# Altium PCB JTAG-批量下载V06.PcbDoc (part 9 of 13)
Units mil, origin at the board's own origin, x right, y up, seen from the top; angles counter-clockwise.
Board outline 6380 x 5290 mil, 2 copper layers (Top Layer, Bottom Layer); 190 components, 238 nets, 1050 pads, 459 vias.
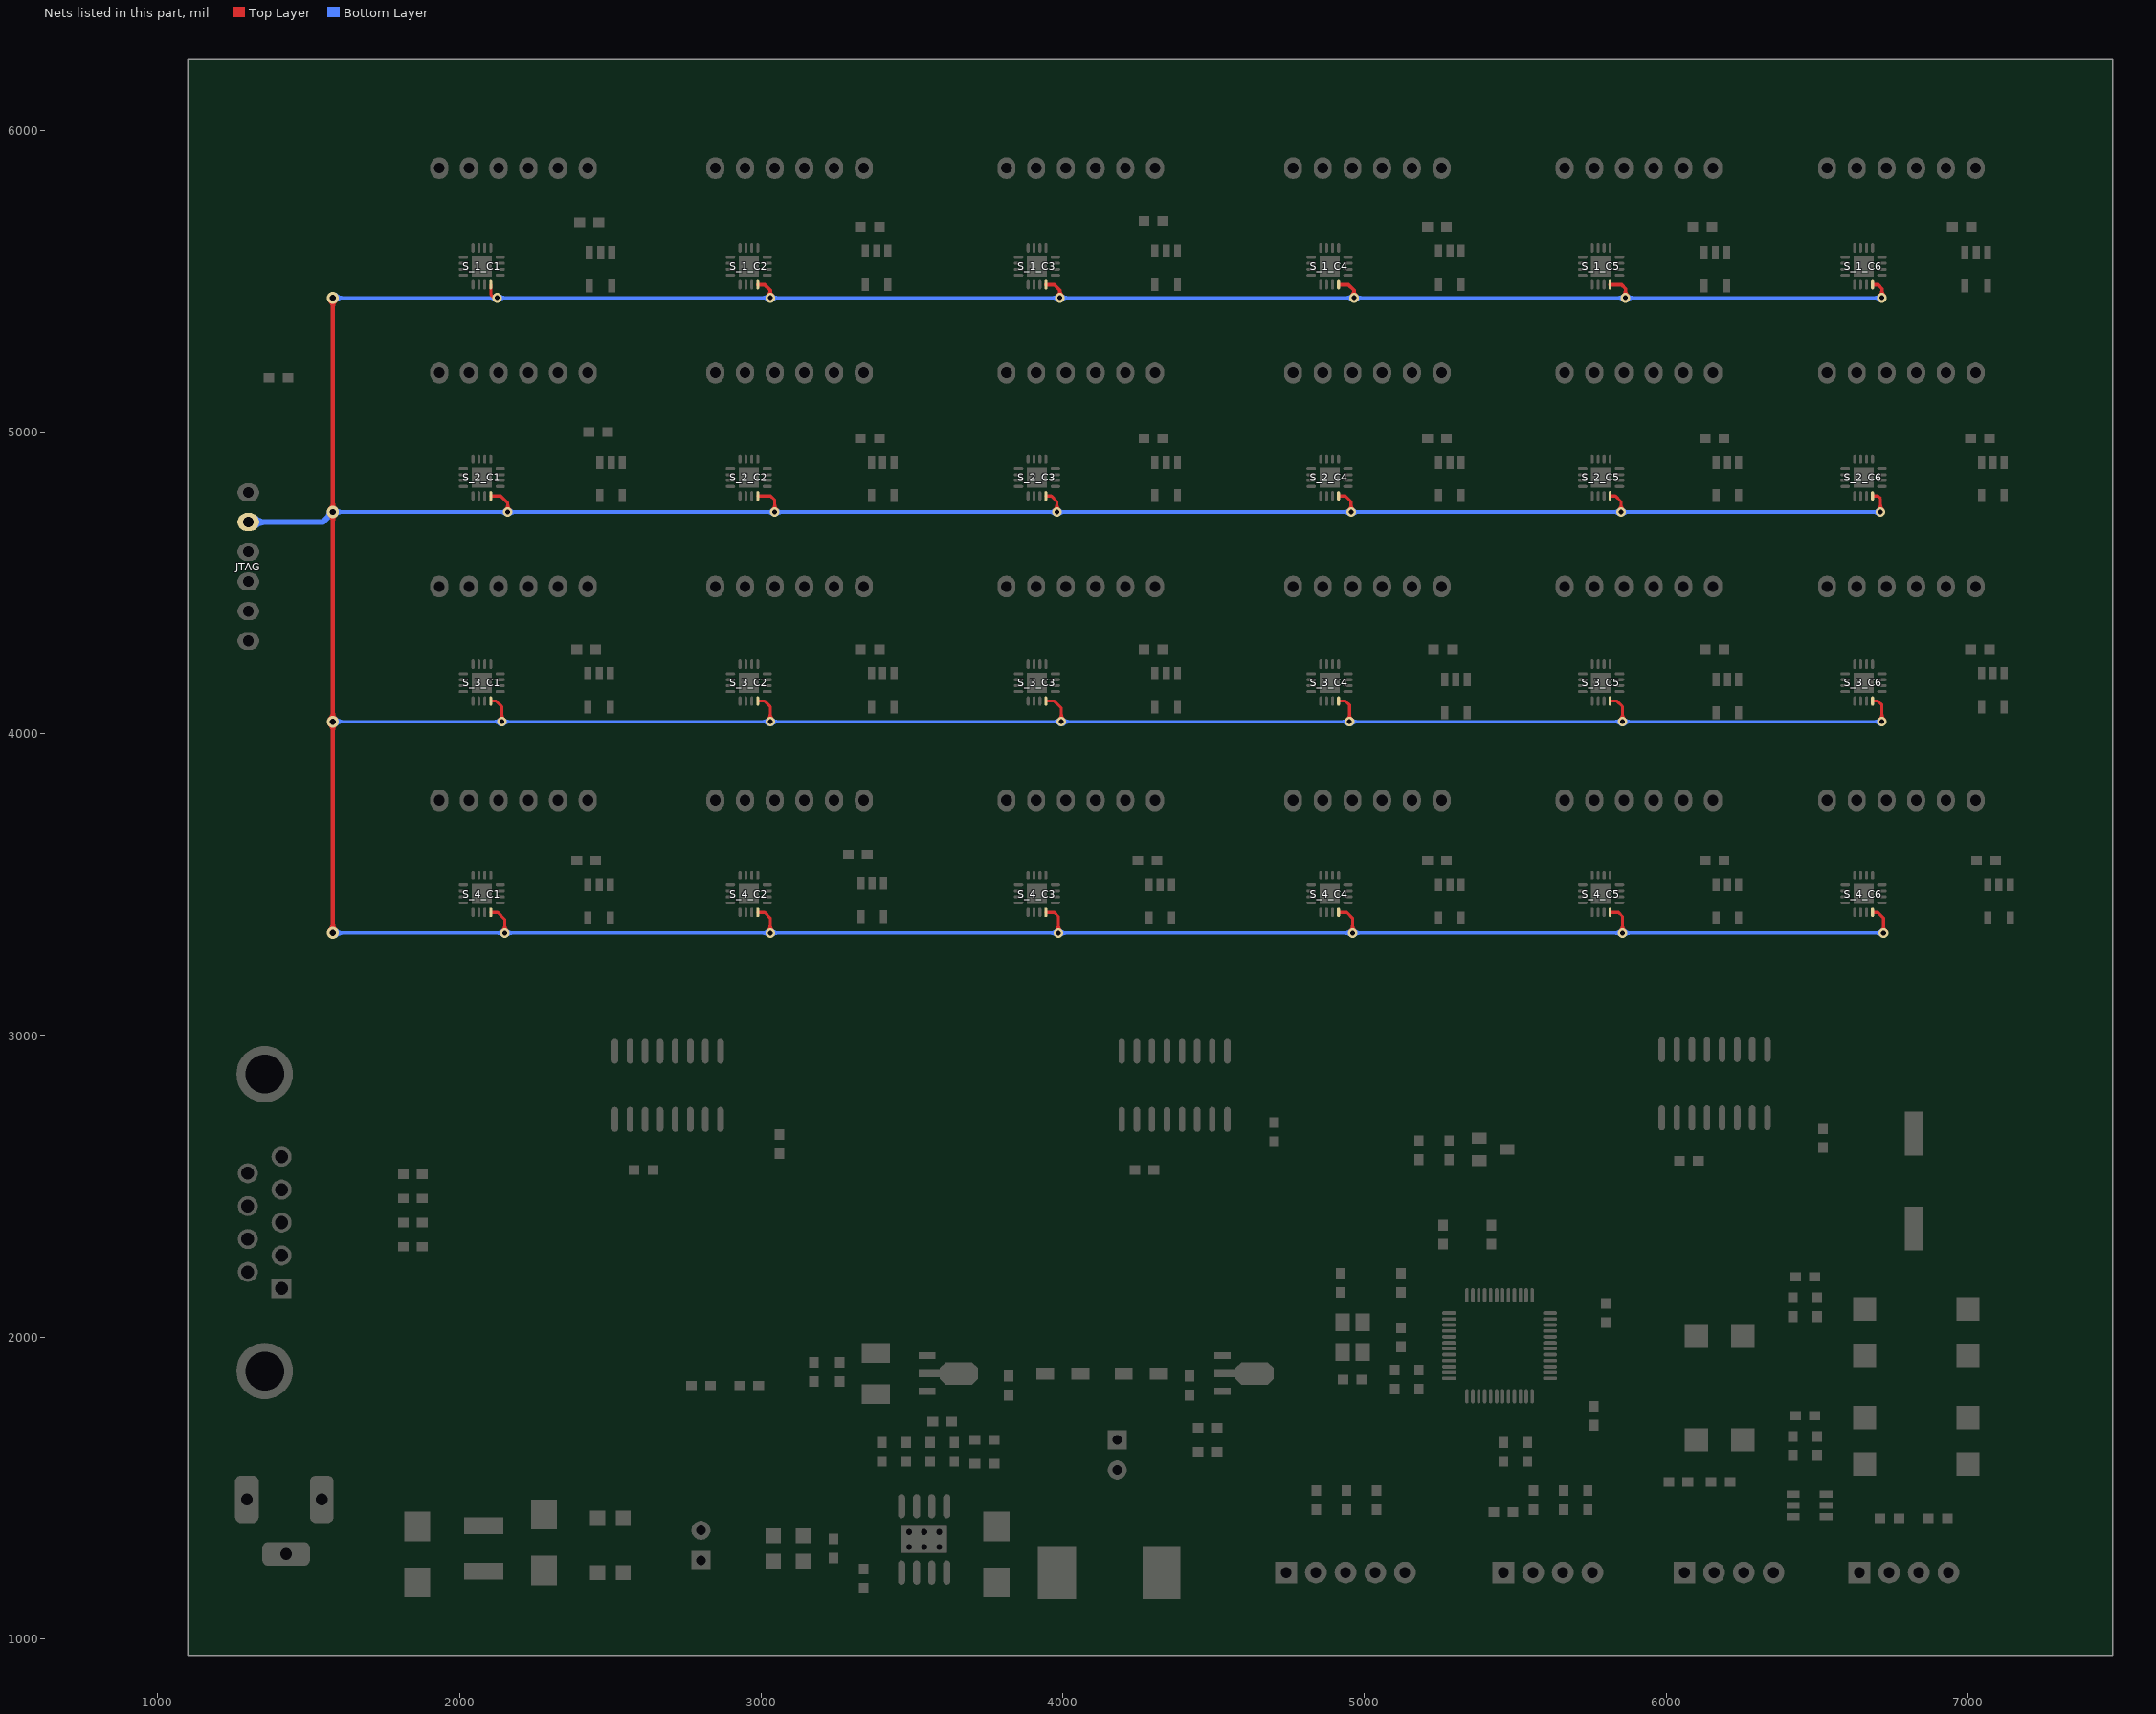
[diagram p9: the nets of this part, all layers, seen from the top]

## Via types
v1: diameter 32, hole 16, Top Layer to Bottom Layer, 347 vias
v2: diameter 50, hole 28, Top Layer to Bottom Layer, 63 vias
v3: diameter 40, hole 20, Top Layer to Bottom Layer, 49 vias

## Nets (pads, with @x,y where several pads share a name; then routed paths per layer and width w, separated by ;. In a path a pad name is that pad's centre, name@x,y a point inside that pad or via, vN(x,y) a via of type N, cw(c..) or ccw(c..) an arc to the next point about the centre after c; other vN are vias at no path point) (continued)
JTAG_TDO: JTAG.2 S_1_C1.16 S_1_C2.16 S_1_C3.16 S_1_C4.16 S_1_C5.16 S_1_C6.16 S_2_C1.16 S_2_C2.16 S_2_C3.16 S_2_C4.16 S_2_C5.16 S_2_C6.16 S_3_C1.16 S_3_C2.16 S_3_C3.16 S_3_C4.16 S_3_C5.16 S_3_C6.16 S_4_C1.16 S_4_C2.16 S_4_C3.16 S_4_C4.16 S_4_C5.16 S_4_C6.16 | length 34677.5
  Top Layer w10: S_4_C1.16@2103.5,3408.5 2126.5,3408.5 2150,3385 v1(2150,3340) ; S_3_C1.16@2103.5,4108.5 2121.5,4108.5 2140,4090 v1(2140,4040) ; S_2_C1.16@2103.5,4788.5 2136.5,4788.5 2160,4765 v1(2160,4735) ; S_1_C1.16@2103.5,5488.5 2103.5,5456.5 v1@2125,5435 ; S_4_C2.16@2988.5,3408.5 3011.5,3408.5 3030,3390 v1(3030,3340) ; S_3_C2.16@2988.5,4108.5 3011.5,4108.5 3030,4090 v1(3030,4040) ; S_2_C2.16@2988.5,4788.5 3031.5,4788.5 3045,4775 v1(3045,4735) ; S_4_C3.16@3943.5,3408.5 3971.5,3408.5 3985,3395 v1(3985,3340) ; S_3_C3.16@3943.5,4108.5 3971.5,4108.5 3995,4085 v1(3995,4040) ; S_2_C3.16@3943.5,4788.5 3961.5,4788.5 3980,4770 v1(3980,4735) ; S_4_C4.16@4913.5,3408.5 4941.5,3408.5 4960,3390 v1(4960,3340) ; S_3_C4.16@4913.5,4108.5 4936.5,4108.5 4950,4095 v1(4950,4040) ; S_2_C4.16@4913.5,4788.5 4936.5,4788.5 4955,4770 v1(4955,4735) ; S_4_C5.16@5813.5,3408.5 5841.5,3408.5 5855,3395 v1(5855,3340) ; S_3_C5.16@5813.5,4108.5 5836.5,4108.5 5855,4090 v1(5855,4040) ; S_2_C5.16@5813.5,4788.5 5831.5,4788.5 5850,4770 v1(5850,4735) ; S_4_C6.16@6683.5,3408.5 6701.5,3408.5 6720,3390 v1(6720,3340) ; S_3_C6.16@6683.5,4108.5 6701.5,4108.5 6715,4095 v1(6715,4040) ; S_2_C6.16@6683.5,4788.5 6701.5,4788.5 6710,4780 v1(6710,4735) ; v1@2132.22,4047.78 ccw(c2113.44,4066.56) 2140,4066.56 ; v1@2132.22,4047.78 ccw(c2113.44,4066.56) 2140,4066.56 ; v1@2132.22,4047.78 ccw(c2113.44,4066.56) 2140,4066.56 ; 2140,4066.56 ccw(c2166.56,4066.56) v1@2147.78,4047.78 ; 2140,4066.56 ccw(c2166.56,4066.56) v1@2147.78,4047.78 ; 2140,4066.56 ccw(c2166.56,4066.56) v1@2147.78,4047.78 ; v1@2142.22,3347.78 ccw(c2123.44,3366.56) 2150,3366.56 ; v1@2142.22,3347.78 ccw(c2123.44,3366.56) 2150,3366.56 ; v1@2142.22,3347.78 ccw(c2123.44,3366.56) 2150,3366.56 ; 2150,3366.56 ccw(c2176.56,3366.56) v1@2157.78,3347.78 ; 2150,3366.56 ccw(c2176.56,3366.56) v1@2157.78,3347.78 ; 2150,3366.56 ccw(c2176.56,3366.56) v1@2157.78,3347.78 ; v1@2152.22,4742.78 ccw(c2133.44,4761.56) 2160,4761.56 ; v1@2152.22,4742.78 ccw(c2133.44,4761.56) 2160,4761.56 ; v1@2152.22,4742.78 ccw(c2133.44,4761.56) 2160,4761.56 ; 2160,4761.56 ccw(c2186.56,4761.56) v1@2167.78,4742.78 ; 2160,4761.56 ccw(c2186.56,4761.56) v1@2167.78,4742.78 ; 2160,4761.56 ccw(c2186.56,4761.56) v1@2167.78,4742.78 ; v1@3022.22,3347.78 ccw(c3003.44,3366.56) 3030,3366.56 ; v1@3022.22,3347.78 ccw(c3003.44,3366.56) 3030,3366.56 ; v1@3022.22,3347.78 ccw(c3003.44,3366.56) 3030,3366.56 ; v1@3022.22,4047.78 ccw(c3003.44,4066.56) 3030,4066.56 ; v1@3022.22,4047.78 ccw(c3003.44,4066.56) 3030,4066.56 ; v1@3022.22,4047.78 ccw(c3003.44,4066.56) 3030,4066.56 ; 3030,3366.56 ccw(c3056.56,3366.56) v1@3037.78,3347.78 ; 3030,3366.56 ccw(c3056.56,3366.56) v1@3037.78,3347.78 ; 3030,3366.56 ccw(c3056.56,3366.56) v1@3037.78,3347.78 ; 3030,4066.56 ccw(c3056.56,4066.56) v1@3037.78,4047.78 ; 3030,4066.56 ccw(c3056.56,4066.56) v1@3037.78,4047.78 ; 3030,4066.56 ccw(c3056.56,4066.56) v1@3037.78,4047.78 ; v1@3037.22,4742.78 ccw(c3018.44,4761.56) 3045,4761.56 ; v1@3037.22,4742.78 ccw(c3018.44,4761.56) 3045,4761.56 ; v1@3037.22,4742.78 ccw(c3018.44,4761.56) 3045,4761.56 ; 3045,4761.56 ccw(c3071.56,4761.56) v1@3052.78,4742.78 ; 3045,4761.56 ccw(c3071.56,4761.56) v1@3052.78,4742.78 ; 3045,4761.56 ccw(c3071.56,4761.56) v1@3052.78,4742.78 ; v1@3972.22,4742.78 ccw(c3953.44,4761.56) 3980,4761.56 ; v1@3972.22,4742.78 ccw(c3953.44,4761.56) 3980,4761.56 ; v1@3972.22,4742.78 ccw(c3953.44,4761.56) 3980,4761.56 ; v1@3977.22,3347.78 ccw(c3958.44,3366.56) 3985,3366.56 ; v1@3977.22,3347.78 ccw(c3958.44,3366.56) 3985,3366.56 ; v1@3977.22,3347.78 ccw(c3958.44,3366.56) 3985,3366.56 ; 3980,4761.56 ccw(c4006.56,4761.56) v1@3987.78,4742.78 ; 3980,4761.56 ccw(c4006.56,4761.56) v1@3987.78,4742.78 ; 3980,4761.56 ccw(c4006.56,4761.56) v1@3987.78,4742.78 ; 3985,3366.56 ccw(c4011.56,3366.56) v1@3992.78,3347.78 ; 3985,3366.56 ccw(c4011.56,3366.56) v1@3992.78,3347.78 ; 3985,3366.56 ccw(c4011.56,3366.56) v1@3992.78,3347.78 ; v1@3987.22,4047.78 ccw(c3968.44,4066.56) 3995,4066.56 ; v1@3987.22,4047.78 ccw(c3968.44,4066.56) 3995,4066.56 ; v1@3987.22,4047.78 ccw(c3968.44,4066.56) 3995,4066.56 ; 3995,4066.56 ccw(c4021.56,4066.56) v1@4002.78,4047.78 ; 3995,4066.56 ccw(c4021.56,4066.56) v1@4002.78,4047.78 ; 3995,4066.56 ccw(c4021.56,4066.56) v1@4002.78,4047.78 ; v1@4942.22,4047.78 ccw(c4923.44,4066.56) 4950,4066.56 ; v1@4942.22,4047.78 ccw(c4923.44,4066.56) 4950,4066.56 ; v1@4942.22,4047.78 ccw(c4923.44,4066.56) 4950,4066.56 ; v1@4947.22,4742.78 ccw(c4928.44,4761.56) 4955,4761.56 ; v1@4947.22,4742.78 ccw(c4928.44,4761.56) 4955,4761.56 ; v1@4947.22,4742.78 ccw(c4928.44,4761.56) 4955,4761.56 ; 4950,4066.56 ccw(c4976.56,4066.56) v1@4957.78,4047.78 ; 4950,4066.56 ccw(c4976.56,4066.56) v1@4957.78,4047.78 ; 4950,4066.56 ccw(c4976.56,4066.56) v1@4957.78,4047.78 ; v1@4952.22,3347.78 ccw(c4933.44,3366.56) 4960,3366.56 ; v1@4952.22,3347.78 ccw(c4933.44,3366.56) 4960,3366.56 ; v1@4952.22,3347.78 ccw(c4933.44,3366.56) 4960,3366.56 ; 4955,4761.56 ccw(c4981.56,4761.56) v1@4962.78,4742.78 ; 4955,4761.56 ccw(c4981.56,4761.56) v1@4962.78,4742.78 ; 4955,4761.56 ccw(c4981.56,4761.56) v1@4962.78,4742.78 ; 4960,3366.56 ccw(c4986.56,3366.56) v1@4967.78,3347.78 ; 4960,3366.56 ccw(c4986.56,3366.56) v1@4967.78,3347.78 ; 4960,3366.56 ccw(c4986.56,3366.56) v1@4967.78,3347.78 ; v1@5842.22,4742.78 ccw(c5823.44,4761.56) 5850,4761.56 ; v1@5842.22,4742.78 ccw(c5823.44,4761.56) 5850,4761.56 ; v1@5842.22,4742.78 ccw(c5823.44,4761.56) 5850,4761.56 ; v1@5847.22,3347.78 ccw(c5828.44,3366.56) 5855,3366.56 ; v1@5847.22,3347.78 ccw(c5828.44,3366.56) 5855,3366.56 ; v1@5847.22,3347.78 ccw(c5828.44,3366.56) 5855,3366.56 ; v1@5847.22,4047.78 ccw(c5828.44,4066.56) 5855,4066.56 ; v1@5847.22,4047.78 ccw(c5828.44,4066.56) 5855,4066.56 ; v1@5847.22,4047.78 ccw(c5828.44,4066.56) 5855,4066.56 ; 5850,4761.56 ccw(c5876.56,4761.56) v1@5857.78,4742.78 ; 5850,4761.56 ccw(c5876.56,4761.56) v1@5857.78,4742.78 ; 5850,4761.56 ccw(c5876.56,4761.56) v1@5857.78,4742.78 ; 5855,3366.56 ccw(c5881.56,3366.56) v1@5862.78,3347.78 ; 5855,3366.56 ccw(c5881.56,3366.56) v1@5862.78,3347.78 ; 5855,3366.56 ccw(c5881.56,3366.56) v1@5862.78,3347.78 ; 5855,4066.56 ccw(c5881.56,4066.56) v1@5862.78,4047.78 ; 5855,4066.56 ccw(c5881.56,4066.56) v1@5862.78,4047.78 ; 5855,4066.56 ccw(c5881.56,4066.56) v1@5862.78,4047.78 ; v1@6702.22,4742.78 ccw(c6683.44,4761.56) 6710,4761.56 ; v1@6702.22,4742.78 ccw(c6683.44,4761.56) 6710,4761.56 ; v1@6702.22,4742.78 ccw(c6683.44,4761.56) 6710,4761.56 ; v1@6707.22,4047.78 ccw(c6688.44,4066.56) 6715,4066.56 ; v1@6707.22,4047.78 ccw(c6688.44,4066.56) 6715,4066.56 ; v1@6707.22,4047.78 ccw(c6688.44,4066.56) 6715,4066.56 ; 6710,4761.56 ccw(c6736.56,4761.56) v1@6717.78,4742.78 ; 6710,4761.56 ccw(c6736.56,4761.56) v1@6717.78,4742.78 ; 6710,4761.56 ccw(c6736.56,4761.56) v1@6717.78,4742.78 ; v1@6712.22,3347.78 ccw(c6693.44,3366.56) 6720,3366.56 ; v1@6712.22,3347.78 ccw(c6693.44,3366.56) 6720,3366.56 ; v1@6712.22,3347.78 ccw(c6693.44,3366.56) 6720,3366.56 ; 6715,4066.56 ccw(c6741.56,4066.56) v1@6722.78,4047.78 ; 6715,4066.56 ccw(c6741.56,4066.56) v1@6722.78,4047.78 ; 6715,4066.56 ccw(c6741.56,4066.56) v1@6722.78,4047.78 ; 6720,3366.56 ccw(c6746.56,3366.56) v1@6727.78,3347.78 ; 6720,3366.56 ccw(c6746.56,3366.56) v1@6727.78,3347.78 ; 6720,3366.56 ccw(c6746.56,3366.56) v1@6727.78,3347.78
  Top Layer w12: S_1_C2.16@2988.5,5488.5 3011.5,5488.5 3030,5470 v1(3030,5445) ; S_1_C3.16@3943.5,5488.5 3971.5,5488.5 3990,5470 v1(3990,5445) ; S_1_C4.16@4913.5,5488.5 4946.5,5488.5 4965,5470 v1(4965,5445) ; S_1_C5.16@5813.5,5488.5 5851.5,5488.5 5865,5475 v1(5865,5445) ; S_1_C6.16@6683.5,5488.5 6701.5,5488.5 6715,5475 v1(6715,5445) ; v1@3022.93,5452.07 ccw(c3005.86,5469.14) 3030,5469.14 ; v1@3022.93,5452.07 ccw(c3005.86,5469.14) 3030,5469.14 ; v1@3022.93,5452.07 ccw(c3005.86,5469.14) 3030,5469.14 ; 3030,5469.14 ccw(c3054.14,5469.14) v1@3037.07,5452.07 ; 3030,5469.14 ccw(c3054.14,5469.14) v1@3037.07,5452.07 ; 3030,5469.14 ccw(c3054.14,5469.14) v1@3037.07,5452.07 ; v1@3982.93,5452.07 ccw(c3965.86,5469.14) 3990,5469.14 ; v1@3982.93,5452.07 ccw(c3965.86,5469.14) 3990,5469.14 ; v1@3982.93,5452.07 ccw(c3965.86,5469.14) 3990,5469.14 ; 3990,5469.14 ccw(c4014.14,5469.14) v1@3997.07,5452.07 ; 3990,5469.14 ccw(c4014.14,5469.14) v1@3997.07,5452.07 ; 3990,5469.14 ccw(c4014.14,5469.14) v1@3997.07,5452.07 ; v1@4957.93,5452.07 ccw(c4940.86,5469.14) 4965,5469.14 ; v1@4957.93,5452.07 ccw(c4940.86,5469.14) 4965,5469.14 ; v1@4957.93,5452.07 ccw(c4940.86,5469.14) 4965,5469.14 ; 4965,5469.14 ccw(c4989.14,5469.14) v1@4972.07,5452.07 ; 4965,5469.14 ccw(c4989.14,5469.14) v1@4972.07,5452.07 ; 4965,5469.14 ccw(c4989.14,5469.14) v1@4972.07,5452.07 ; v1@5857.93,5452.07 ccw(c5840.86,5469.14) 5865,5469.14 ; v1@5857.93,5452.07 ccw(c5840.86,5469.14) 5865,5469.14 ; v1@5857.93,5452.07 ccw(c5840.86,5469.14) 5865,5469.14 ; 5865,5469.14 ccw(c5889.14,5469.14) v1@5872.07,5452.07 ; 5865,5469.14 ccw(c5889.14,5469.14) v1@5872.07,5452.07 ; 5865,5469.14 ccw(c5889.14,5469.14) v1@5872.07,5452.07 ; v1@6707.93,5452.07 ccw(c6690.86,5469.14) 6715,5469.14 ; v1@6707.93,5452.07 ccw(c6690.86,5469.14) 6715,5469.14 ; v1@6707.93,5452.07 ccw(c6690.86,5469.14) 6715,5469.14 ; 6715,5469.14 ccw(c6739.14,5469.14) v1@6722.07,5452.07 ; 6715,5469.14 ccw(c6739.14,5469.14) v1@6722.07,5452.07 ; 6715,5469.14 ccw(c6739.14,5469.14) v1@6722.07,5452.07
  Top Layer w15: v3(1580,3340) v3(1580,5445) ; v3@1571.16,3348.84 ccw(c1549.82,3370.18) 1580,3370.18 ; v3@1571.16,3348.84 ccw(c1549.82,3370.18) 1580,3370.18 ; v3@1571.16,3348.84 ccw(c1549.82,3370.18) 1580,3370.18 ; v3@1571.16,4031.16 cw(c1549.82,4009.82) 1580,4009.82 ; v3@1571.16,4031.16 cw(c1549.82,4009.82) 1580,4009.82 ; v3@1571.16,4031.16 cw(c1549.82,4009.82) 1580,4009.82 ; v3@1571.16,4048.84 ccw(c1549.82,4070.18) 1580,4070.18 ; v3@1571.16,4048.84 ccw(c1549.82,4070.18) 1580,4070.18 ; v3@1571.16,4048.84 ccw(c1549.82,4070.18) 1580,4070.18 ; v3@1571.16,4726.16 cw(c1549.82,4704.82) 1580,4704.82 ; v3@1571.16,4726.16 cw(c1549.82,4704.82) 1580,4704.82 ; v3@1571.16,4726.16 cw(c1549.82,4704.82) 1580,4704.82 ; v3@1571.16,4743.84 ccw(c1549.82,4765.18) 1580,4765.18 ; v3@1571.16,4743.84 ccw(c1549.82,4765.18) 1580,4765.18 ; v3@1571.16,4743.84 ccw(c1549.82,4765.18) 1580,4765.18 ; v3@1571.16,5436.16 cw(c1549.82,5414.82) 1580,5414.82 ; v3@1571.16,5436.16 cw(c1549.82,5414.82) 1580,5414.82 ; v3@1571.16,5436.16 cw(c1549.82,5414.82) 1580,5414.82 ; 1580,3370.18 ccw(c1610.18,3370.18) v3@1588.84,3348.84 ; 1580,3370.18 ccw(c1610.18,3370.18) v3@1588.84,3348.84 ; 1580,3370.18 ccw(c1610.18,3370.18) v3@1588.84,3348.84 ; 1580,4009.82 cw(c1610.18,4009.82) v3@1588.84,4031.16 ; 1580,4009.82 cw(c1610.18,4009.82) v3@1588.84,4031.16 ; 1580,4009.82 cw(c1610.18,4009.82) v3@1588.84,4031.16 ; 1580,4070.18 ccw(c1610.18,4070.18) v3@1588.84,4048.84 ; 1580,4070.18 ccw(c1610.18,4070.18) v3@1588.84,4048.84 ; 1580,4070.18 ccw(c1610.18,4070.18) v3@1588.84,4048.84 ; 1580,4704.82 cw(c1610.18,4704.82) v3@1588.84,4726.16 ; 1580,4704.82 cw(c1610.18,4704.82) v3@1588.84,4726.16 ; 1580,4704.82 cw(c1610.18,4704.82) v3@1588.84,4726.16 ; 1580,4765.18 ccw(c1610.18,4765.18) v3@1588.84,4743.84 ; 1580,4765.18 ccw(c1610.18,4765.18) v3@1588.84,4743.84 ; 1580,4765.18 ccw(c1610.18,4765.18) v3@1588.84,4743.84 ; 1580,5414.82 cw(c1610.18,5414.82) v3@1588.84,5436.16 ; 1580,5414.82 cw(c1610.18,5414.82) v3@1588.84,5436.16 ; 1580,5414.82 cw(c1610.18,5414.82) v3@1588.84,5436.16
  Bottom Layer w12: v3(1580,3340) v1@6715,3340 ; v3(1580,4040) v1(6715,4040) ; v3(1580,4735) v1(6710,4735) ; v3(1580,5445) v1(6715,5445) ; v3@1589.9,3330.1 cw(c1613.8,3306.2) 1613.8,3340 ; v3@1589.9,3330.1 cw(c1613.8,3306.2) 1613.8,3340 ; v3@1589.9,3330.1 cw(c1613.8,3306.2) 1613.8,3340 ; v3@1589.9,3349.9 ccw(c1613.8,3373.8) 1613.8,3340 ; v3@1589.9,3349.9 ccw(c1613.8,3373.8) 1613.8,3340 ; v3@1589.9,3349.9 ccw(c1613.8,3373.8) 1613.8,3340 ; v3@1589.9,4030.1 cw(c1613.8,4006.2) 1613.8,4040 ; v3@1589.9,4030.1 cw(c1613.8,4006.2) 1613.8,4040 ; v3@1589.9,4030.1 cw(c1613.8,4006.2) 1613.8,4040 ; v3@1589.9,4049.9 ccw(c1613.8,4073.8) 1613.8,4040 ; v3@1589.9,4049.9 ccw(c1613.8,4073.8) 1613.8,4040 ; v3@1589.9,4049.9 ccw(c1613.8,4073.8) 1613.8,4040 ; v3@1589.9,4725.1 cw(c1613.8,4701.2) 1613.8,4735 ; v3@1589.9,4725.1 cw(c1613.8,4701.2) 1613.8,4735 ; v3@1589.9,4725.1 cw(c1613.8,4701.2) 1613.8,4735 ; v3@1589.9,4744.9 ccw(c1613.8,4768.8) 1613.8,4735 ; v3@1589.9,4744.9 ccw(c1613.8,4768.8) 1613.8,4735 ; v3@1589.9,4744.9 ccw(c1613.8,4768.8) 1613.8,4735 ; v3@1589.9,5435.1 cw(c1613.8,5411.2) 1613.8,5445 ; v3@1589.9,5435.1 cw(c1613.8,5411.2) 1613.8,5445 ; v3@1589.9,5435.1 cw(c1613.8,5411.2) 1613.8,5445 ; v3@1589.9,5454.9 ccw(c1613.8,5478.8) 1613.8,5445 ; v3@1589.9,5454.9 ccw(c1613.8,5478.8) 1613.8,5445 ; v3@1589.9,5454.9 ccw(c1613.8,5478.8) 1613.8,5445 ; 2100.86,5445 ccw(c2100.86,5469.14) v1@2117.93,5452.07 ; 2100.86,5445 cw(c2100.86,5420.86) v1@2117.93,5437.93 ; 2100.86,5445 ccw(c2100.86,5469.14) v1@2117.93,5452.07 ; 2100.86,5445 cw(c2100.86,5420.86) v1@2117.93,5437.93 ; 2100.86,5445 ccw(c2100.86,5469.14) v1@2117.93,5452.07 ; 2100.86,5445 cw(c2100.86,5420.86) v1@2117.93,5437.93 ; 2115.86,4040 ccw(c2115.86,4064.14) v1@2132.93,4047.07 ; 2115.86,4040 cw(c2115.86,4015.86) v1@2132.93,4032.93 ; 2115.86,4040 ccw(c2115.86,4064.14) v1@2132.93,4047.07 ; 2115.86,4040 cw(c2115.86,4015.86) v1@2132.93,4032.93 ; 2115.86,4040 ccw(c2115.86,4064.14) v1@2132.93,4047.07 ; 2115.86,4040 cw(c2115.86,4015.86) v1@2132.93,4032.93 ; 2125.86,3340 ccw(c2125.86,3364.14) v1@2142.93,3347.07 ; 2125.86,3340 cw(c2125.86,3315.86) v1@2142.93,3332.93 ; 2125.86,3340 ccw(c2125.86,3364.14) v1@2142.93,3347.07 ; 2125.86,3340 cw(c2125.86,3315.86) v1@2142.93,3332.93 ; 2125.86,3340 ccw(c2125.86,3364.14) v1@2142.93,3347.07 ; 2125.86,3340 cw(c2125.86,3315.86) v1@2142.93,3332.93 ; v1@2132.07,5437.93 cw(c2149.14,5420.86) 2149.14,5445 ; v1@2132.07,5437.93 cw(c2149.14,5420.86) 2149.14,5445 ; v1@2132.07,5437.93 cw(c2149.14,5420.86) 2149.14,5445 ; v1@2132.07,5452.07 ccw(c2149.14,5469.14) 2149.14,5445 ; v1@2132.07,5452.07 ccw(c2149.14,5469.14) 2149.14,5445 ; v1@2132.07,5452.07 ccw(c2149.14,5469.14) 2149.14,5445 ; 2135.86,4735 ccw(c2135.86,4759.14) v1@2152.93,4742.07 ; 2135.86,4735 cw(c2135.86,4710.86) v1@2152.93,4727.93 ; 2135.86,4735 ccw(c2135.86,4759.14) v1@2152.93,4742.07 ; 2135.86,4735 cw(c2135.86,4710.86) v1@2152.93,4727.93 ; 2135.86,4735 ccw(c2135.86,4759.14) v1@2152.93,4742.07 ; 2135.86,4735 cw(c2135.86,4710.86) v1@2152.93,4727.93 ; v1@2147.07,4032.93 cw(c2164.14,4015.86) 2164.14,4040 ; v1@2147.07,4032.93 cw(c2164.14,4015.86) 2164.14,4040 ; v1@2147.07,4032.93 cw(c2164.14,4015.86) 2164.14,4040 ; v1@2147.07,4047.07 ccw(c2164.14,4064.14) 2164.14,4040 ; v1@2147.07,4047.07 ccw(c2164.14,4064.14) 2164.14,4040 ; v1@2147.07,4047.07 ccw(c2164.14,4064.14) 2164.14,4040 ; v1@2157.07,3332.93 cw(c2174.14,3315.86) 2174.14,3340 ; v1@2157.07,3332.93 cw(c2174.14,3315.86) 2174.14,3340 ; v1@2157.07,3332.93 cw(c2174.14,3315.86) 2174.14,3340 ; v1@2157.07,3347.07 ccw(c2174.14,3364.14) 2174.14,3340 ; v1@2157.07,3347.07 ccw(c2174.14,3364.14) 2174.14,3340 ; v1@2157.07,3347.07 ccw(c2174.14,3364.14) 2174.14,3340 ; v1@2167.07,4727.93 cw(c2184.14,4710.86) 2184.14,4735 ; v1@2167.07,4727.93 cw(c2184.14,4710.86) 2184.14,4735 ; v1@2167.07,4727.93 cw(c2184.14,4710.86) 2184.14,4735 ; v1@2167.07,4742.07 ccw(c2184.14,4759.14) 2184.14,4735 ; v1@2167.07,4742.07 ccw(c2184.14,4759.14) 2184.14,4735 ; v1@2167.07,4742.07 ccw(c2184.14,4759.14) 2184.14,4735 ; 3005.86,3340 ccw(c3005.86,3364.14) v1@3022.93,3347.07 ; 3005.86,3340 cw(c3005.86,3315.86) v1@3022.93,3332.93 ; 3005.86,3340 ccw(c3005.86,3364.14) v1@3022.93,3347.07 ; 3005.86,3340 cw(c3005.86,3315.86) v1@3022.93,3332.93 ; 3005.86,3340 ccw(c3005.86,3364.14) v1@3022.93,3347.07 ; 3005.86,3340 cw(c3005.86,3315.86) v1@3022.93,3332.93 ; 3005.86,4040 ccw(c3005.86,4064.14) v1@3022.93,4047.07 ; 3005.86,4040 cw(c3005.86,4015.86) v1@3022.93,4032.93 ; 3005.86,4040 ccw(c3005.86,4064.14) v1@3022.93,4047.07 ; 3005.86,4040 cw(c3005.86,4015.86) v1@3022.93,4032.93 ; 3005.86,4040 ccw(c3005.86,4064.14) v1@3022.93,4047.07 ; 3005.86,4040 cw(c3005.86,4015.86) v1@3022.93,4032.93 ; 3005.86,5445 ccw(c3005.86,5469.14) v1@3022.93,5452.07 ; 3005.86,5445 cw(c3005.86,5420.86) v1@3022.93,5437.93 ; 3005.86,5445 ccw(c3005.86,5469.14) v1@3022.93,5452.07 ; 3005.86,5445 cw(c3005.86,5420.86) v1@3022.93,5437.93 ; 3005.86,5445 ccw(c3005.86,5469.14) v1@3022.93,5452.07 ; 3005.86,5445 cw(c3005.86,5420.86) v1@3022.93,5437.93 ; 3020.86,4735 ccw(c3020.86,4759.14) v1@3037.93,4742.07 ; 3020.86,4735 cw(c3020.86,4710.86) v1@3037.93,4727.93 ; 3020.86,4735 ccw(c3020.86,4759.14) v1@3037.93,4742.07 ; 3020.86,4735 cw(c3020.86,4710.86) v1@3037.93,4727.93 ; 3020.86,4735 ccw(c3020.86,4759.14) v1@3037.93,4742.07 ; 3020.86,4735 cw(c3020.86,4710.86) v1@3037.93,4727.93 ; v1@3037.07,3332.93 cw(c3054.14,3315.86) 3054.14,3340 ; v1@3037.07,3332.93 cw(c3054.14,3315.86) 3054.14,3340 ; v1@3037.07,3332.93 cw(c3054.14,3315.86) 3054.14,3340 ; v1@3037.07,3347.07 ccw(c3054.14,3364.14) 3054.14,3340 ; v1@3037.07,3347.07 ccw(c3054.14,3364.14) 3054.14,3340 ; v1@3037.07,3347.07 ccw(c3054.14,3364.14) 3054.14,3340 ; v1@3037.07,4032.93 cw(c3054.14,4015.86) 3054.14,4040 ; v1@3037.07,4032.93 cw(c3054.14,4015.86) 3054.14,4040 ; v1@3037.07,4032.93 cw(c3054.14,4015.86) 3054.14,4040 ; v1@3037.07,4047.07 ccw(c3054.14,4064.14) 3054.14,4040 ; v1@3037.07,4047.07 ccw(c3054.14,4064.14) 3054.14,4040 ; v1@3037.07,4047.07 ccw(c3054.14,4064.14) 3054.14,4040 ; v1@3037.07,5437.93 cw(c3054.14,5420.86) 3054.14,5445 ; v1@3037.07,5437.93 cw(c3054.14,5420.86) 3054.14,5445 ; v1@3037.07,5437.93 cw(c3054.14,5420.86) 3054.14,5445 ; v1@3037.07,5452.07 ccw(c3054.14,5469.14) 3054.14,5445 ; v1@3037.07,5452.07 ccw(c3054.14,5469.14) 3054.14,5445 ; v1@3037.07,5452.07 ccw(c3054.14,5469.14) 3054.14,5445 ; v1@3052.07,4727.93 cw(c3069.14,4710.86) 3069.14,4735 ; v1@3052.07,4727.93 cw(c3069.14,4710.86) 3069.14,4735 ; v1@3052.07,4727.93 cw(c3069.14,4710.86) 3069.14,4735 ; v1@3052.07,4742.07 ccw(c3069.14,4759.14) 3069.14,4735 ; v1@3052.07,4742.07 ccw(c3069.14,4759.14) 3069.14,4735 ; v1@3052.07,4742.07 ccw(c3069.14,4759.14) 3069.14,4735 ; 3955.86,4735 ccw(c3955.86,4759.14) v1@3972.93,4742.07 ; 3955.86,4735 cw(c3955.86,4710.86) v1@3972.93,4727.93 ; 3955.86,4735 ccw(c3955.86,4759.14) v1@3972.93,4742.07 ; 3955.86,4735 cw(c3955.86,4710.86) v1@3972.93,4727.93 ; 3955.86,4735 ccw(c3955.86,4759.14) v1@3972.93,4742.07 ; 3955.86,4735 cw(c3955.86,4710.86) v1@3972.93,4727.93 ; 3960.86,3340 ccw(c3960.86,3364.14) v1@3977.93,3347.07 ; 3960.86,3340 cw(c3960.86,3315.86) v1@3977.93,3332.93 ; 3960.86,3340 ccw(c3960.86,3364.14) v1@3977.93,3347.07 ; 3960.86,3340 cw(c3960.86,3315.86) v1@3977.93,3332.93 ; 3960.86,3340 ccw(c3960.86,3364.14) v1@3977.93,3347.07 ; 3960.86,3340 cw(c3960.86,3315.86) v1@3977.93,3332.93 ; 3965.86,5445 ccw(c3965.86,5469.14) v1@3982.93,5452.07 ; 3965.86,5445 cw(c3965.86,5420.86) v1@3982.93,5437.93 ; 3965.86,5445 ccw(c3965.86,5469.14) v1@3982.93,5452.07 ; 3965.86,5445 cw(c3965.86,5420.86) v1@3982.93,5437.93 ; 3965.86,5445 ccw(c3965.86,5469.14) v1@3982.93,5452.07 ; 3965.86,5445 cw(c3965.86,5420.86) v1@3982.93,5437.93 ; 3970.86,4040 ccw(c3970.86,4064.14) v1@3987.93,4047.07 ; 3970.86,4040 cw(c3970.86,4015.86) v1@3987.93,4032.93 ; 3970.86,4040 ccw(c3970.86,4064.14) v1@3987.93,4047.07 ; 3970.86,4040 cw(c3970.86,4015.86) v1@3987.93,4032.93 ; 3970.86,4040 ccw(c3970.86,4064.14) v1@3987.93,4047.07 ; 3970.86,4040 cw(c3970.86,4015.86) v1@3987.93,4032.93 ; v1@3987.07,4727.93 cw(c4004.14,4710.86) 4004.14,4735 ; v1@3987.07,4727.93 cw(c4004.14,4710.86) 4004.14,4735 ; v1@3987.07,4727.93 cw(c4004.14,4710.86) 4004.14,4735 ; v1@3987.07,4742.07 ccw(c4004.14,4759.14) 4004.14,4735 ; v1@3987.07,4742.07 ccw(c4004.14,4759.14) 4004.14,4735 ; v1@3987.07,4742.07 ccw(c4004.14,4759.14) 4004.14,4735 ; v1@3992.07,3332.93 cw(c4009.14,3315.86) 4009.14,3340 ; v1@3992.07,3332.93 cw(c4009.14,3315.86) 4009.14,3340 ; v1@3992.07,3332.93 cw(c4009.14,3315.86) 4009.14,3340 ; v1@3992.07,3347.07 ccw(c4009.14,3364.14) 4009.14,3340 ; v1@3992.07,3347.07 ccw(c4009.14,3364.14) 4009.14,3340 ; v1@3992.07,3347.07 ccw(c4009.14,3364.14) 4009.14,3340 ; v1@3997.07,5437.93 cw(c4014.14,5420.86) 4014.14,5445 ; v1@3997.07,5437.93 cw(c4014.14,5420.86) 4014.14,5445 ; v1@3997.07,5437.93 cw(c4014.14,5420.86) 4014.14,5445 ; v1@3997.07,5452.07 ccw(c4014.14,5469.14) 4014.14,5445 ; v1@3997.07,5452.07 ccw(c4014.14,5469.14) 4014.14,5445 ; v1@3997.07,5452.07 ccw(c4014.14,5469.14) 4014.14,5445 ; v1@4002.07,4032.93 cw(c4019.14,4015.86) 4019.14,4040 ; v1@4002.07,4032.93 cw(c4019.14,4015.86) 4019.14,4040 ; v1@4002.07,4032.93 cw(c4019.14,4015.86) 4019.14,4040 ; v1@4002.07,4047.07 ccw(c4019.14,4064.14) 4019.14,4040 ; v1@4002.07,4047.07 ccw(c4019.14,4064.14) 4019.14,4040 ; v1@4002.07,4047.07 ccw(c4019.14,4064.14) 4019.14,4040 ; 4925.86,4040 ccw(c4925.86,4064.14) v1@4942.93,4047.07 ; 4925.86,4040 cw(c4925.86,4015.86) v1@4942.93,4032.93 ; 4925.86,4040 ccw(c4925.86,4064.14) v1@4942.93,4047.07 ; 4925.86,4040 cw(c4925.86,4015.86) v1@4942.93,4032.93 ; 4925.86,4040 ccw(c4925.86,4064.14) v1@4942.93,4047.07 ; 4925.86,4040 cw(c4925.86,4015.86) v1@4942.93,4032.93 ; 4930.86,4735 ccw(c4930.86,4759.14) v1@4947.93,4742.07 ; 4930.86,4735 cw(c4930.86,4710.86) v1@4947.93,4727.93 ; 4930.86,4735 ccw(c4930.86,4759.14) v1@4947.93,4742.07 ; 4930.86,4735 cw(c4930.86,4710.86) v1@4947.93,4727.93 ; 4930.86,4735 ccw(c4930.86,4759.14) v1@4947.93,4742.07 ; 4930.86,4735 cw(c4930.86,4710.86) v1@4947.93,4727.93 ; 4935.86,3340 ccw(c4935.86,3364.14) v1@4952.93,3347.07 ; 4935.86,3340 cw(c4935.86,3315.86) v1@4952.93,3332.93 ; 4935.86,3340 ccw(c4935.86,3364.14) v1@4952.93,3347.07 ; 4935.86,3340 cw(c4935.86,3315.86) v1@4952.93,3332.93 ; 4935.86,3340 ccw(c4935.86,3364.14) v1@4952.93,3347.07 ; 4935.86,3340 cw(c4935.86,3315.86) v1@4952.93,3332.93 ; 4940.86,5445 ccw(c4940.86,5469.14) v1@4957.93,5452.07 ; 4940.86,5445 cw(c4940.86,5420.86) v1@4957.93,5437.93 ; 4940.86,5445 ccw(c4940.86,5469.14) v1@4957.93,5452.07 ; 4940.86,5445 cw(c4940.86,5420.86) v1@4957.93,5437.93 ; 4940.86,5445 ccw(c4940.86,5469.14) v1@4957.93,5452.07 ; 4940.86,5445 cw(c4940.86,5420.86) v1@4957.93,5437.93 ; v1@4957.07,4032.93 cw(c4974.14,4015.86) 4974.14,4040 ; v1@4957.07,4032.93 cw(c4974.14,4015.86) 4974.14,4040 ; v1@4957.07,4032.93 cw(c4974.14,4015.86) 4974.14,4040 ; v1@4957.07,4047.07 ccw(c4974.14,4064.14) 4974.14,4040 ; v1@4957.07,4047.07 ccw(c4974.14,4064.14) 4974.14,4040 ; v1@4957.07,4047.07 ccw(c4974.14,4064.14) 4974.14,4040 ; v1@4962.07,4727.93 cw(c4979.14,4710.86) 4979.14,4735 ; v1@4962.07,4727.93 cw(c4979.14,4710.86) 4979.14,4735 ; v1@4962.07,4727.93 cw(c4979.14,4710.86) 4979.14,4735 ; v1@4962.07,4742.07 ccw(c4979.14,4759.14) 4979.14,4735 ; v1@4962.07,4742.07 ccw(c4979.14,4759.14) 4979.14,4735 ; v1@4962.07,4742.07 ccw(c4979.14,4759.14) 4979.14,4735 ; v1@4967.07,3332.93 cw(c4984.14,3315.86) 4984.14,3340 ; v1@4967.07,3332.93 cw(c4984.14,3315.86) 4984.14,3340 ; v1@4967.07,3332.93 cw(c4984.14,3315.86) 4984.14,3340 ; v1@4967.07,3347.07 ccw(c4984.14,3364.14) 4984.14,3340 ; v1@4967.07,3347.07 ccw(c4984.14,3364.14) 4984.14,3340 ; v1@4967.07,3347.07 ccw(c4984.14,3364.14) 4984.14,3340 ; v1@4972.07,5437.93 cw(c4989.14,5420.86) 4989.14,5445 ; v1@4972.07,5437.93 cw(c4989.14,5420.86) 4989.14,5445 ; v1@4972.07,5437.93 cw(c4989.14,5420.86) 4989.14,5445 ; v1@4972.07,5452.07 ccw(c4989.14,5469.14) 4989.14,5445 ; v1@4972.07,5452.07 ccw(c4989.14,5469.14) 4989.14,5445 ; v1@4972.07,5452.07 ccw(c4989.14,5469.14) 4989.14,5445 ; 5825.86,4735 ccw(c5825.86,4759.14) v1@5842.93,4742.07 ; 5825.86,4735 cw(c5825.86,4710.86) v1@5842.93,4727.93 ; 5825.86,4735 ccw(c5825.86,4759.14) v1@5842.93,4742.07 ; 5825.86,4735 cw(c5825.86,4710.86) v1@5842.93,4727.93 ; 5825.86,4735 ccw(c5825.86,4759.14) v1@5842.93,4742.07 ; 5825.86,4735 cw(c5825.86,4710.86) v1@5842.93,4727.93 ; 5830.86,3340 ccw(c5830.86,3364.14) v1@5847.93,3347.07 ; 5830.86,3340 cw(c5830.86,3315.86) v1@5847.93,3332.93 ; 5830.86,3340 ccw(c5830.86,3364.14) v1@5847.93,3347.07 ; 5830.86,3340 cw(c5830.86,3315.86) v1@5847.93,3332.93 ; 5830.86,3340 ccw(c5830.86,3364.14) v1@5847.93,3347.07 ; 5830.86,3340 cw(c5830.86,3315.86) v1@5847.93,3332.93 ; 5830.86,4040 ccw(c5830.86,4064.14) v1@5847.93,4047.07 ; 5830.86,4040 cw(c5830.86,4015.86) v1@5847.93,4032.93 ; 5830.86,4040 ccw(c5830.86,4064.14) v1@5847.93,4047.07 ; 5830.86,4040 cw(c5830.86,4015.86) v1@5847.93,4032.93 ; 5830.86,4040 ccw(c5830.86,4064.14) v1@5847.93,4047.07 ; 5830.86,4040 cw(c5830.86,4015.86) v1@5847.93,4032.93 ; 5840.86,5445 ccw(c5840.86,5469.14) v1@5857.93,5452.07 ; 5840.86,5445 cw(c5840.86,5420.86) v1@5857.93,5437.93 ; 5840.86,5445 ccw(c5840.86,5469.14) v1@5857.93,5452.07 ; 5840.86,5445 cw(c5840.86,5420.86) v1@5857.93,5437.93 ; 5840.86,5445 ccw(c5840.86,5469.14) v1@5857.93,5452.07 ; 5840.86,5445 cw(c5840.86,5420.86) v1@5857.93,5437.93 ; v1@5857.07,4727.93 cw(c5874.14,4710.86) 5874.14,4735 ; v1@5857.07,4727.93 cw(c5874.14,4710.86) 5874.14,4735 ; v1@5857.07,4727.93 cw(c5874.14,4710.86) 5874.14,4735 ; v1@5857.07,4742.07 ccw(c5874.14,4759.14) 5874.14,4735 ; v1@5857.07,4742.07 ccw(c5874.14,4759.14) 5874.14,4735 ; v1@5857.07,4742.07 ccw(c5874.14,4759.14) 5874.14,4735 ; v1@5862.07,3332.93 cw(c5879.14,3315.86) 5879.14,3340 ; v1@5862.07,3332.93 cw(c5879.14,3315.86) 5879.14,3340 ; v1@5862.07,3332.93 cw(c5879.14,3315.86) 5879.14,3340 ; v1@5862.07,3347.07 ccw(c5879.14,3364.14) 5879.14,3340 ; v1@5862.07,3347.07 ccw(c5879.14,3364.14) 5879.14,3340 ; v1@5862.07,3347.07 ccw(c5879.14,3364.14) 5879.14,3340 ; v1@5862.07,4032.93 cw(c5879.14,4015.86) 5879.14,4040 ; v1@5862.07,4032.93 cw(c5879.14,4015.86) 5879.14,4040 ; v1@5862.07,4032.93 cw(c5879.14,4015.86) 5879.14,4040 ; v1@5862.07,4047.07 ccw(c5879.14,4064.14) 5879.14,4040 ; v1@5862.07,4047.07 ccw(c5879.14,4064.14) 5879.14,4040 ; v1@5862.07,4047.07 ccw(c5879.14,4064.14) 5879.14,4040 ; v1@5872.07,5437.93 cw(c5889.14,5420.86) 5889.14,5445 ; v1@5872.07,5437.93 cw(c5889.14,5420.86) 5889.14,5445 ; v1@5872.07,5437.93 cw(c5889.14,5420.86) 5889.14,5445 ; v1@5872.07,5452.07 ccw(c5889.14,5469.14) 5889.14,5445 ; v1@5872.07,5452.07 ccw(c5889.14,5469.14) 5889.14,5445 ; v1@5872.07,5452.07 ccw(c5889.14,5469.14) 5889.14,5445 ; 6685.86,4735 ccw(c6685.86,4759.14) v1@6702.93,4742.07 ; 6685.86,4735 cw(c6685.86,4710.86) v1@6702.93,4727.93 ; 6685.86,4735 ccw(c6685.86,4759.14) v1@6702.93,4742.07 ; 6685.86,4735 cw(c6685.86,4710.86) v1@6702.93,4727.93 ; 6685.86,4735 ccw(c6685.86,4759.14) v1@6702.93,4742.07 ; 6685.86,4735 cw(c6685.86,4710.86) v1@6702.93,4727.93 ; 6690.86,4040 ccw(c6690.86,4064.14) v1@6707.93,4047.07 ; 6690.86,4040 cw(c6690.86,4015.86) v1@6707.93,4032.93 ; 6690.86,4040 ccw(c6690.86,4064.14) v1@6707.93,4047.07 ; 6690.86,4040 cw(c6690.86,4015.86) v1@6707.93,4032.93 ; 6690.86,4040 ccw(c6690.86,4064.14) v1@6707.93,4047.07 ; 6690.86,4040 cw(c6690.86,4015.86) v1@6707.93,4032.93 ; 6690.86,5445 ccw(c6690.86,5469.14) v1@6707.93,5452.07 ; 6690.86,5445 cw(c6690.86,5420.86) v1@6707.93,5437.93 ; 6690.86,5445 ccw(c6690.86,5469.14) v1@6707.93,5452.07 ; 6690.86,5445 cw(c6690.86,5420.86) v1@6707.93,5437.93 ; 6690.86,5445 ccw(c6690.86,5469.14) v1@6707.93,5452.07 ; 6690.86,5445 cw(c6690.86,5420.86) v1@6707.93,5437.93 ; 6695.86,3340 ccw(c6695.86,3364.14) v1@6712.93,3347.07 ; 6695.86,3340 cw(c6695.86,3315.86) v1@6712.93,3332.93 ; 6695.86,3340 ccw(c6695.86,3364.14) v1@6712.93,3347.07 ; 6695.86,3340 cw(c6695.86,3315.86) v1@6712.93,3332.93 ; 6695.86,3340 ccw(c6695.86,3364.14) v1@6712.93,3347.07 ; 6695.86,3340 cw(c6695.86,3315.86) v1@6712.93,3332.93
  Bottom Layer w20: JTAG.2@1300,4701.57 1546.57,4701.57 v3(1580,4735) ; 1354.28,4701.57 ccw(c1354.28,4653.29) 1320.14,4687.43 cw(c1354.28,4653.29) 1354.28,4701.57 ; 1354.28,4701.57 cw(c1354.28,4749.86) 1320.14,4715.72 ccw(c1354.28,4749.86) 1354.28,4701.57 ; 1562.93,4717.93 ccw(c1545.86,4735) v3@1570,4735 ; 1562.93,4717.93 cw(c1580,4700.86) v3@1580,4725 ; 1562.93,4717.93 ccw(c1545.86,4735) v3@1570,4735 ; 1562.93,4717.93 cw(c1580,4700.86) v3@1580,4725 ; 1562.93,4717.93 ccw(c1545.86,4735) v3@1570,4735 ; 1562.93,4717.93 cw(c1580,4700.86) v3@1580,4725
  other v1: 2125,5445